# Altium PCB SupplyBox_v3.PcbDoc (part 1 of 2) (continued)
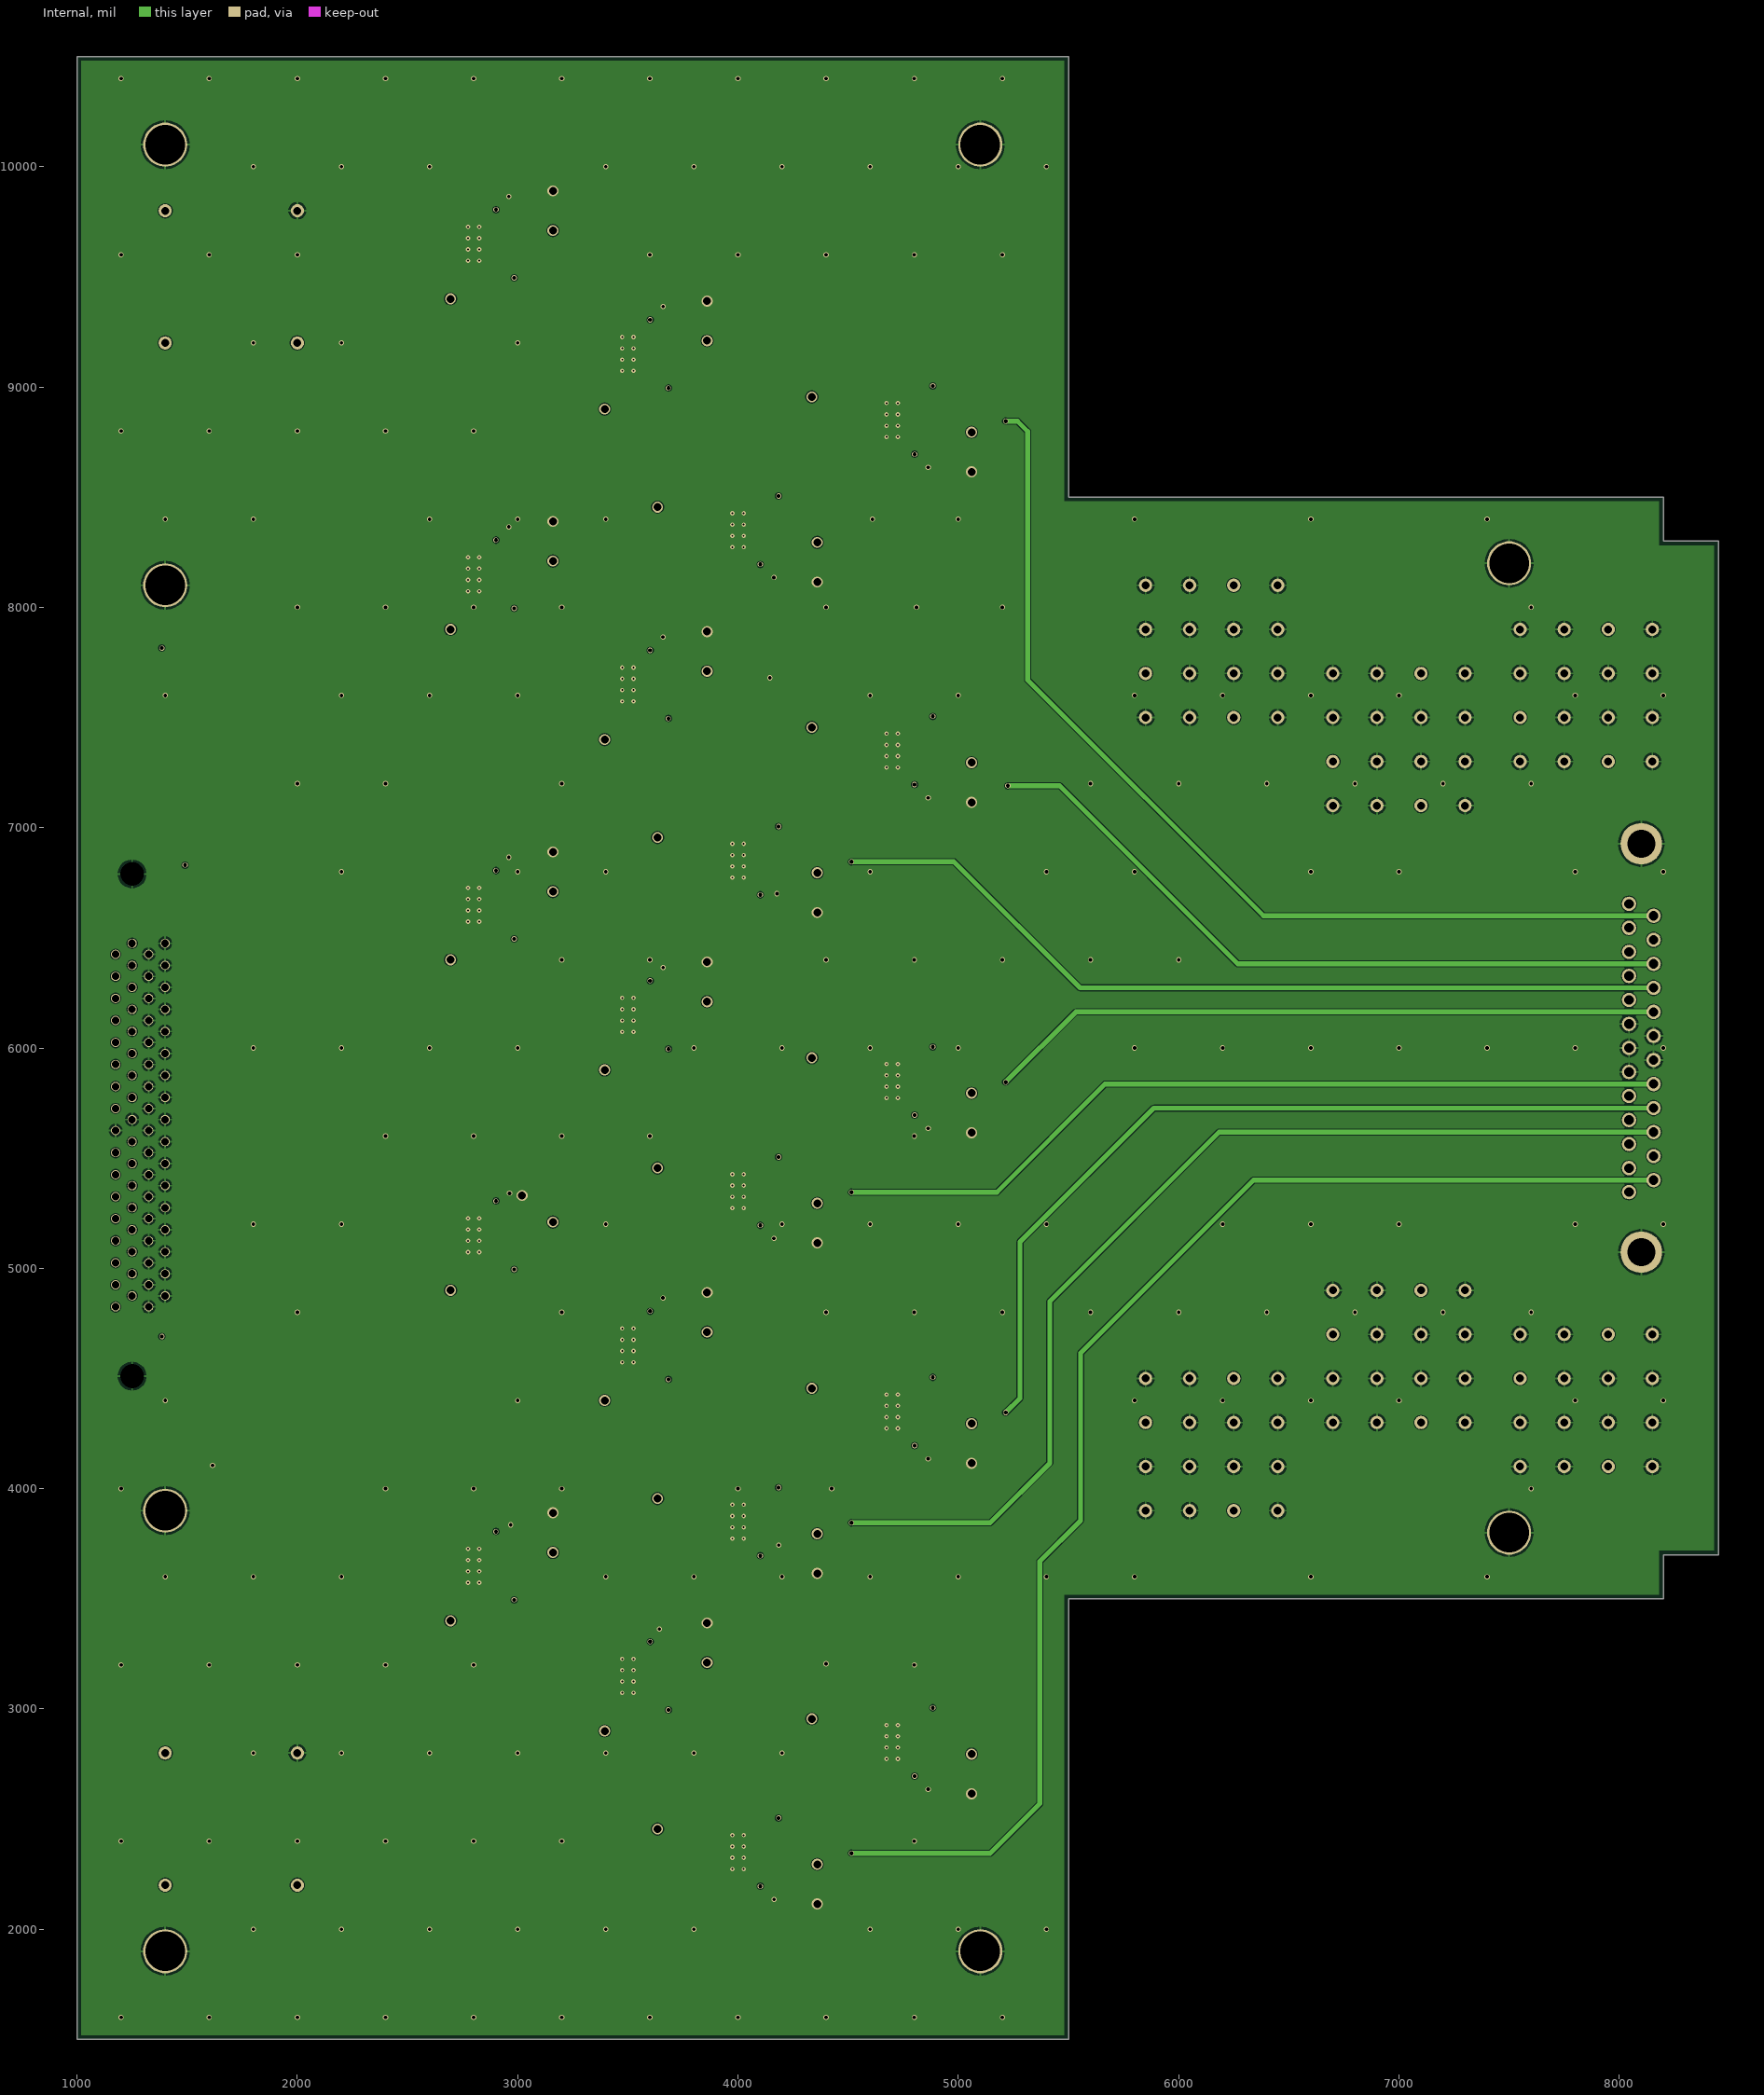
[diagram p4: Internal]
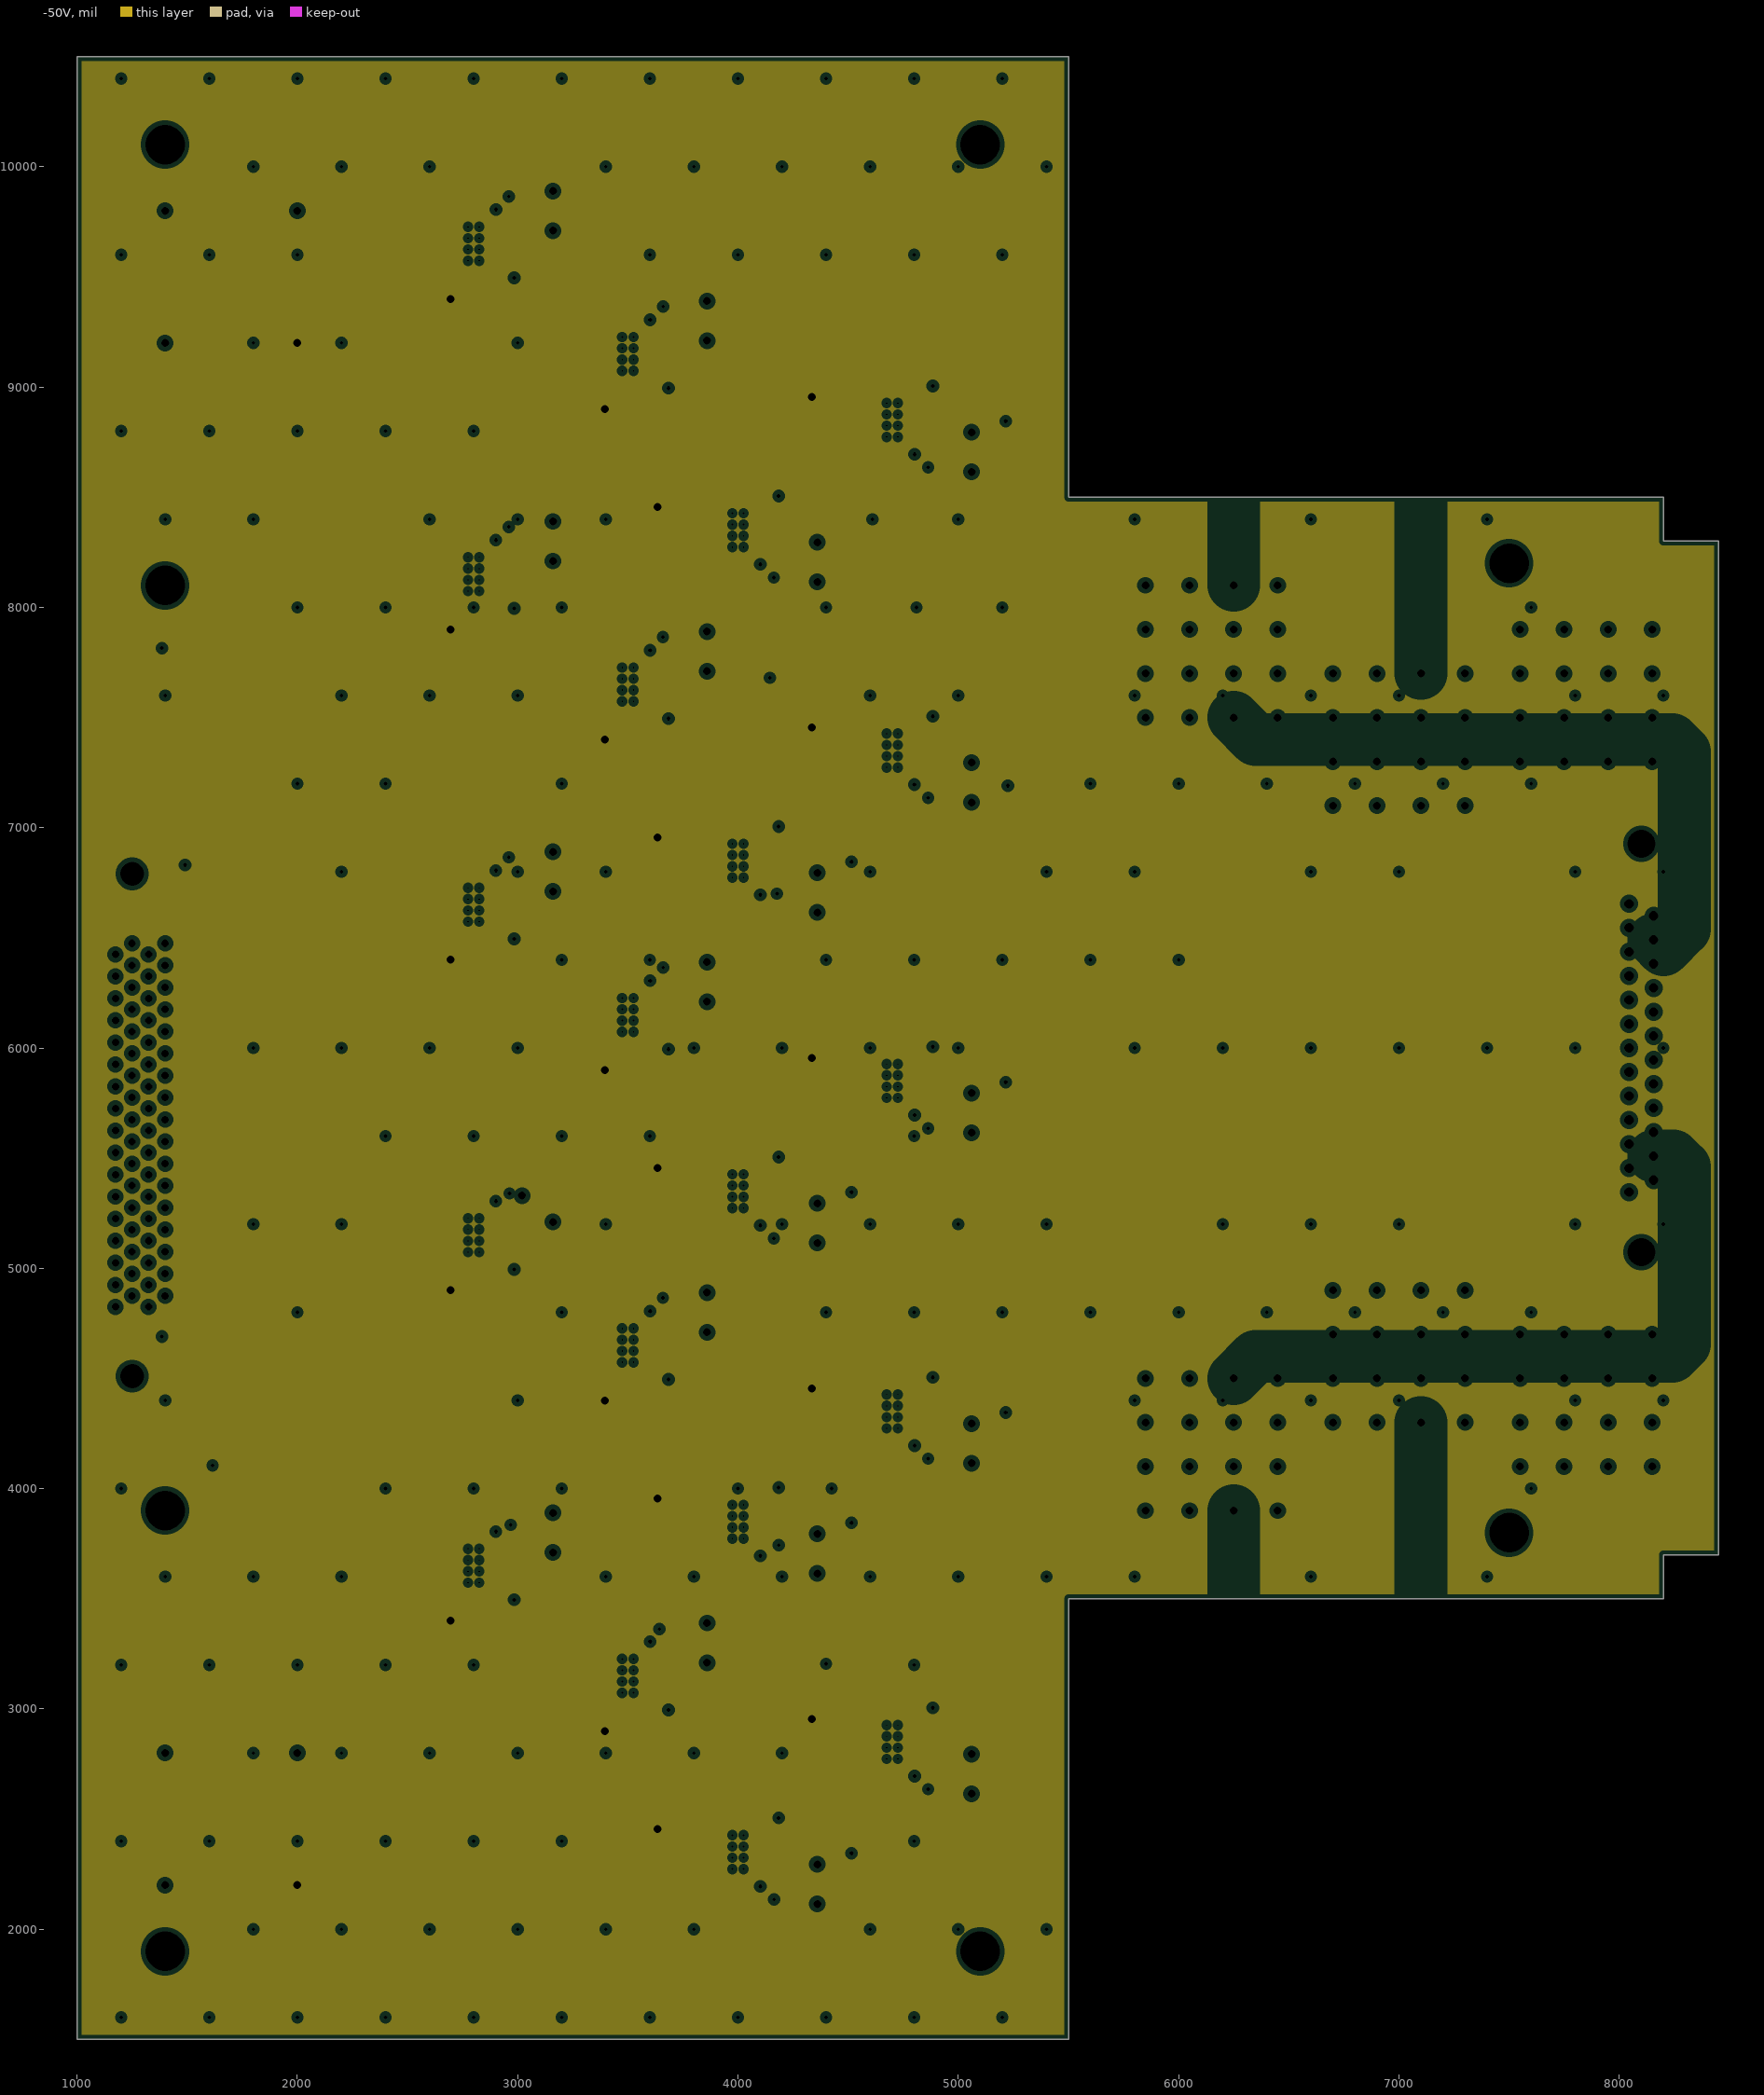
[diagram p5: -50V, clearances drawn from the general rule]
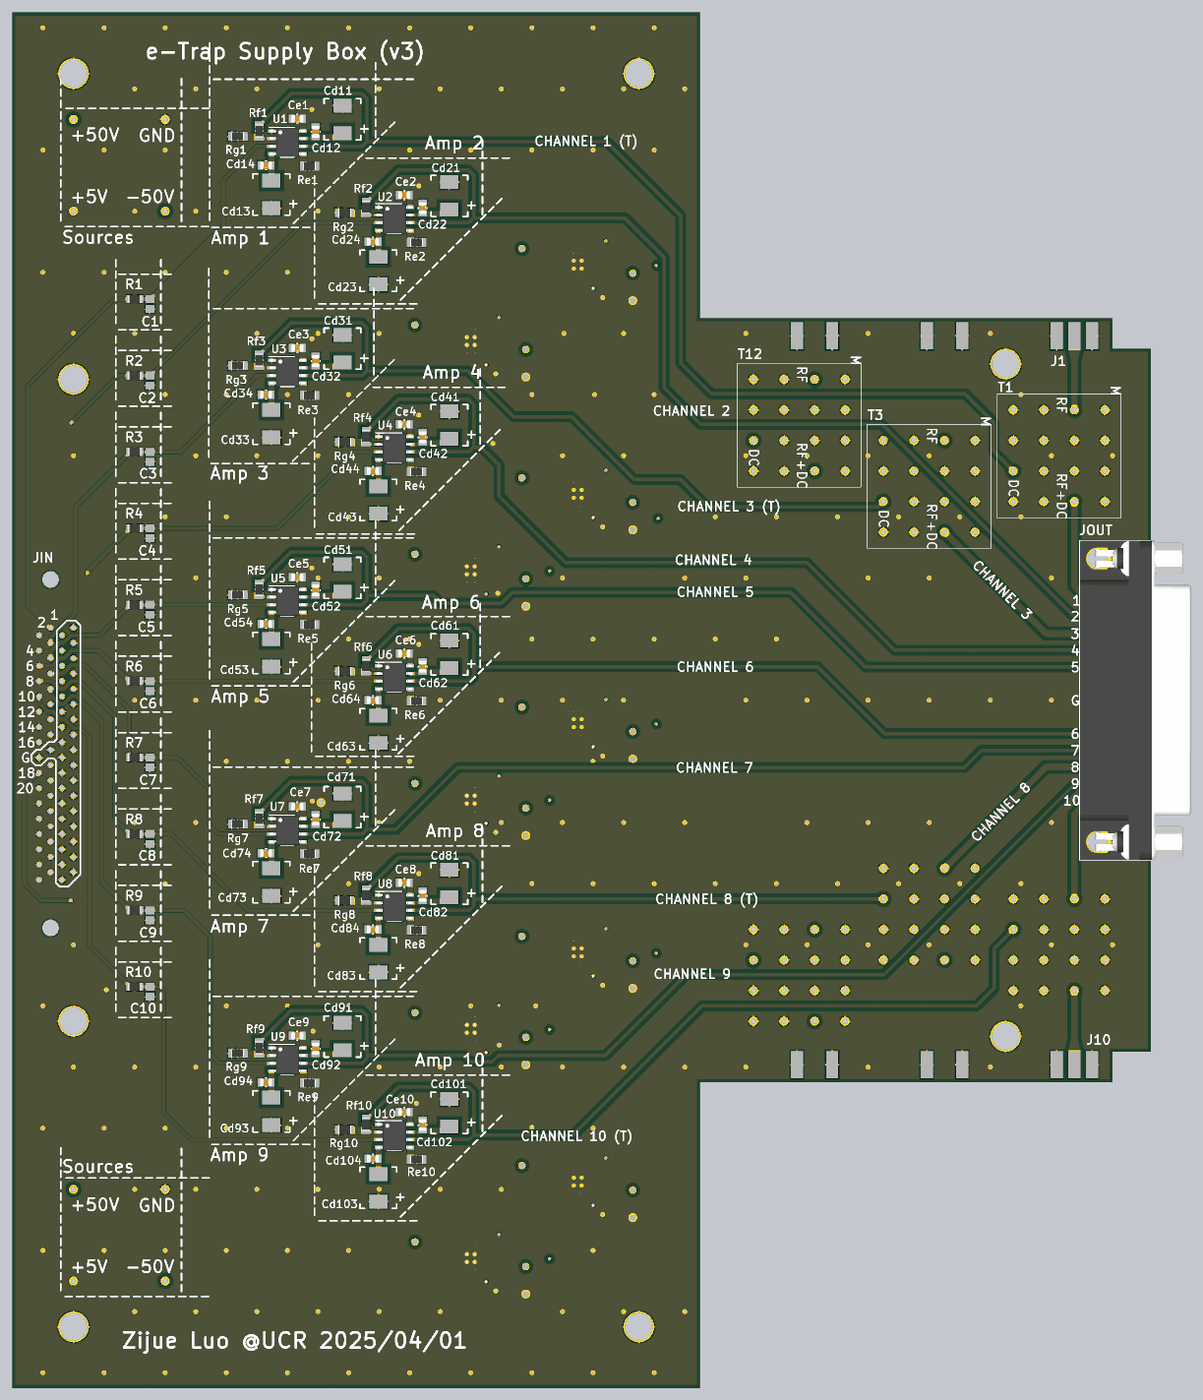
[diagram p7: 3D render of the assembled board from above, using the file's embedded part models]
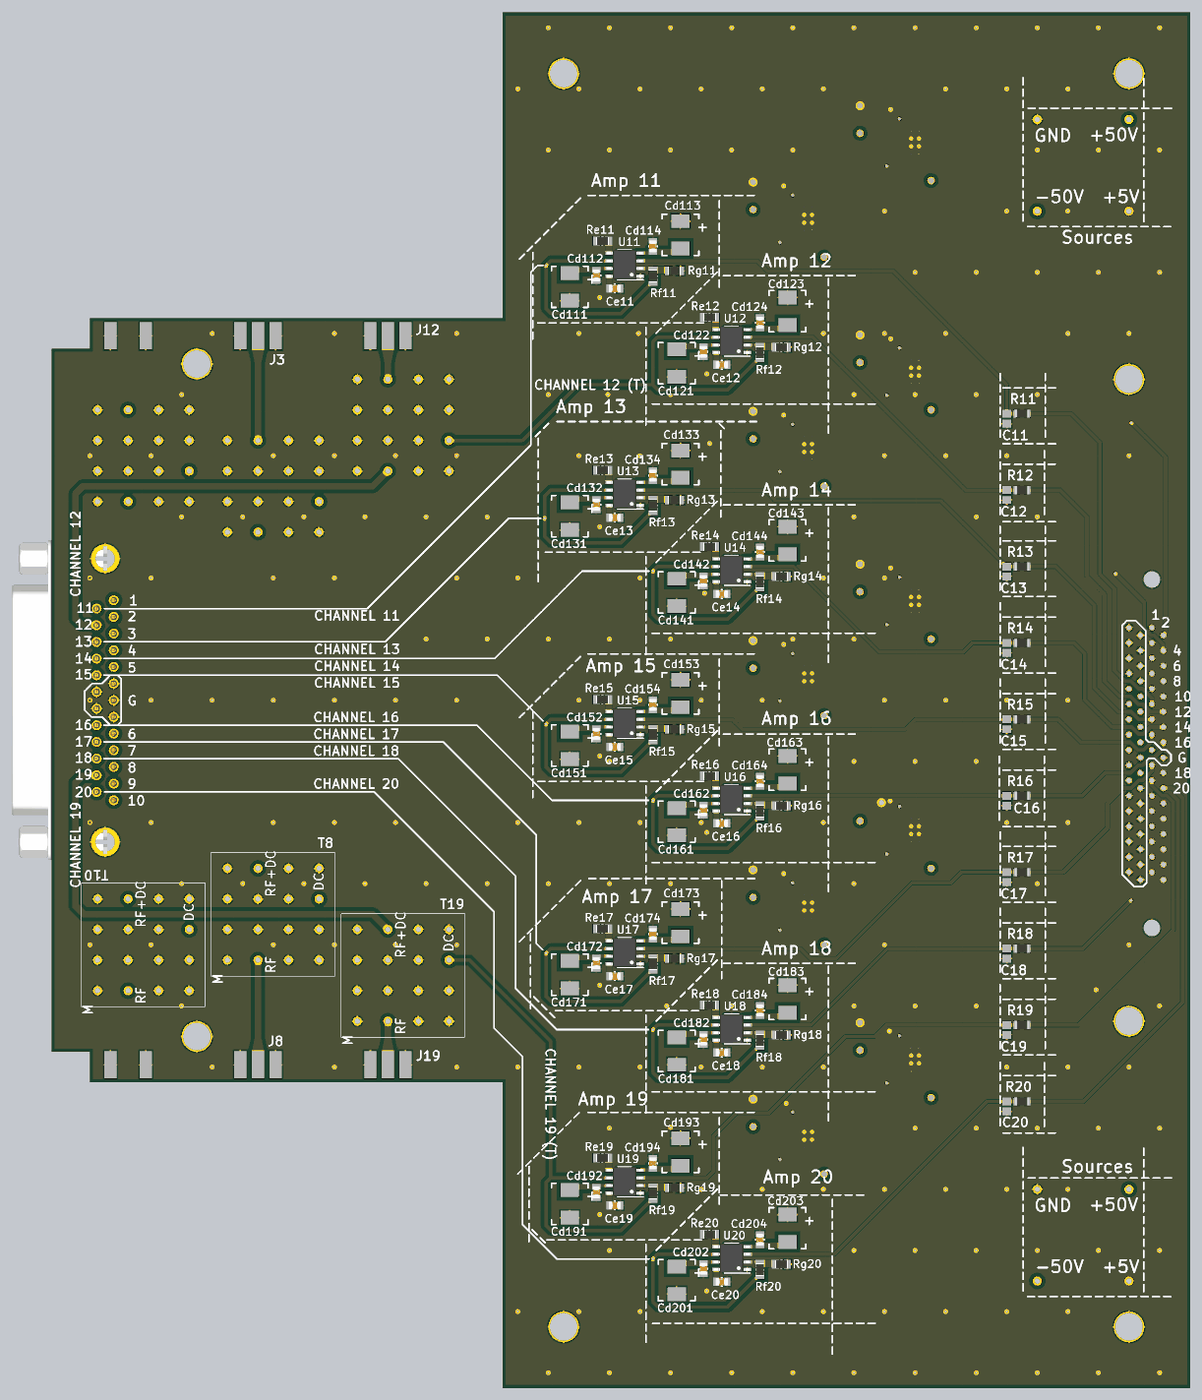
[diagram p8: 3D render of the assembled board from below, using the file's embedded part models]

## Layer stack, top to bottom
Top Solder: solder mask 1.2, Solder Resist, Dk 3.8
Top Layer: signal copper 1.38
Dielectric 2: prepreg 3.91, 3313*1, Dk 4.1
+50V: plane copper 0.6, net +50V
Dielectric 4: core 21.65, FR-4, Dk 4.6
+5V: signal copper 0.6
Dielectric 1: prepreg 4.28, 2116*1, Dk 4.16
Internal: signal copper 0.6
Dielectric 5: core 21.65, FR-4, Dk 4.6
-50V: plane copper 0.6, net -50V
Dielectric 3: prepreg 3.91, 3313*1, Dk 4.1
Bottom Layer: signal copper 1.38
Bottom Solder: solder mask 1.2, Solder Resist, Dk 3.8

## Board outline
8200,3500 8200,3700 8450,3700 8450,8300 8200,8300 8200,8500 5500,8500 5500,10500 1000,10500 1000,1500 5500,1500 5500,3500

## Design rules (kind name [scope] priority, off if disabled: settings)
Clearance RF [InNetClass('RF') vs OnLayer('Top Layer') Or OnLayer('Bottom Layer')] p1: gap=24 ignorepadtopadclearanceinfootprint=FALSE
Clearance HV_Internal [InNetClass('HV') vs OnLayer('+50V') or OnLayer('+5V') or OnLayer('Internal') or OnLayer('-50V')] p2: gap=4 ignorepadtopadclearanceinfootprint=FALSE
Clearance HV_External [InNetClass('HV') vs OnLayer('Top Layer') Or OnLayer('Bottom Layer')] p3: gap=24 ignorepadtopadclearanceinfootprint=FALSE
Clearance General [All] p4: gap=4 ignorepadtopadclearanceinfootprint=FALSE
HoleSize [All] p1: absolutevalues=TRUE maxlimit=200 minlimit=4 maxpercent=80.000 minpercent=20.000
MinimumSolderMaskSliver [All] p1 off: minsoldermaskwidth=4
PlaneClearance [All] p1: clearance=20
PlaneConnect [All] p1: planeconnectstyle=Direct reliefexpansion=20 reliefentries=4 reliefconductorwidth=10 reliefairgap=10
PolygonConnect [All] p1: thpad.connectstyle=Relief thpad.reliefconductorwidth=10 thpad.reliefentries=4 thpad.polygonreliefangle="90 Angle" thpad.airgapwidth=10 smdpad.connectstyle=Relief smdpad.reliefconductorwidth=10 smdpad.reliefentries=4 smdpad.polygonreliefangle="90 Angle" smdpad.airgapwidth=10 via.connectstyle=Direct via.reliefconductorwidth=10 via.reliefentries=4 via.polygonreliefangle="90 Angle" via.airgapwidth=10
RoutingVias [All] p1: holewidth=28 width=50 viastyle="Through Hole" minholewidth=28 minwidth=50 maxholewidth=28 maxwidth=50
SilkToSilkClearance [All] p1 off: silktosilkclearance=4
SilkToSolderMaskClearance [IsPad] p1 off: minsilkscreentomaskgap=4 clearancetoexposedcopper=TRUE
SolderMaskExpansion [All] p1: expansion=4 istentingtop=FALSE
SupplyNets "Schematic Supply Nets_69" [InNet('CH18F')] p1: voltage=0.000
SupplyNets "Schematic Supply Nets_68" [InNet('CH20IN')] p2: voltage=0.000
SupplyNets "Schematic Supply Nets_67" [InNet('CH13A')] p3: voltage=0.000
SupplyNets "Schematic Supply Nets_66" [InNet('CH18A')] p4: voltage=0.000
SupplyNets "Schematic Supply Nets_65" [InNet('CH4F')] p5: voltage=0.000
SupplyNets "Schematic Supply Nets_64" [InNet('CH10F')] p6: voltage=0.000
SupplyNets "Schematic Supply Nets_63" [InNet('CH4A')] p7: voltage=0.000
SupplyNets "Schematic Supply Nets_62" [InNet('CH1OUT')] p8: voltage=0.000
SupplyNets "Schematic Supply Nets_61" [InNet('CH8IN')] p9: voltage=0.000
SupplyNets "Schematic Supply Nets_60" [InNet('+5V')] p10: voltage=0.000
SupplyNets "Schematic Supply Nets_59" [InNet('CH20F')] p11: voltage=0.000
SupplyNets "Schematic Supply Nets_58" [InNet('CH14IN')] p12: voltage=0.000
SupplyNets "Schematic Supply Nets_57" [InNet('+50V')] p13: voltage=0.000
SupplyNets "Schematic Supply Nets_56" [InNet('CH5A')] p14: voltage=0.000
SupplyNets "Schematic Supply Nets_55" [InNet('CH8A')] p15: voltage=0.000
SupplyNets "Schematic Supply Nets_54" [InNet('GND')] p16: voltage=0.000
SupplyNets "Schematic Supply Nets_53" [InNet('CH10A')] p17: voltage=0.000
SupplyNets "Schematic Supply Nets_52" [InNet('CH6A')] p18: voltage=0.000
SupplyNets "Schematic Supply Nets_51" [InNet('CH6F')] p19: voltage=0.000
SupplyNets "Schematic Supply Nets_50" [InNet('CH1F')] p20: voltage=0.000
SupplyNets "Schematic Supply Nets_49" [InNet('CH3F')] p21: voltage=0.000
SupplyNets "Schematic Supply Nets_48" [InNet('CH15F')] p22: voltage=0.000
SupplyNets "Schematic Supply Nets_47" [InNet('CH17F')] p23: voltage=0.000
SupplyNets "Schematic Supply Nets_46" [InNet('CH14A')] p24: voltage=0.000
SupplyNets "Schematic Supply Nets_45" [InNet('CH12A')] p25: voltage=0.000
SupplyNets "Schematic Supply Nets_44" [InNet('CH16F')] p26: voltage=0.000
SupplyNets "Schematic Supply Nets_43" [InNet('CH1IN')] p27: voltage=0.000
SupplyNets "Schematic Supply Nets_42" [InNet('CH19A')] p28: voltage=0.000
SupplyNets "Schematic Supply Nets_41" [InNet('CH11F')] p29: voltage=0.000
SupplyNets "Schematic Supply Nets_40" [InNet('CH12F')] p30: voltage=0.000
SupplyNets "Schematic Supply Nets_39" [InNet('CH9IN')] p31: voltage=0.000
SupplyNets "Schematic Supply Nets_38" [InNet('CH3OUT')] p32: voltage=0.000
SupplyNets "Schematic Supply Nets_37" [InNet('CH15A')] p33: voltage=0.000
SupplyNets "Schematic Supply Nets_36" [InNet('CH19IN')] p34: voltage=0.000
SupplyNets "Schematic Supply Nets_35" [InNet('CH17A')] p35: voltage=0.000
SupplyNets "Schematic Supply Nets_34" [InNet('CH20A')] p36: voltage=0.000
SupplyNets "Schematic Supply Nets_33" [InNet('-50V')] p37: voltage=0.000
SupplyNets "Schematic Supply Nets_32" [InNet('CH13F')] p38: voltage=0.000
SupplyNets "Schematic Supply Nets_31" [InNet('CH14F')] p39: voltage=0.000
SupplyNets "Schematic Supply Nets_30" [InNet('CH8F')] p40: voltage=0.000
SupplyNets "Schematic Supply Nets_29" [InNet('CH11A')] p41: voltage=0.000
SupplyNets "Schematic Supply Nets_28" [InNet('CH5F')] p42: voltage=0.000
SupplyNets "Schematic Supply Nets_27" [InNet('CH2IN')] p43: voltage=0.000
SupplyNets "Schematic Supply Nets_26" [InNet('CH13IN')] p44: voltage=0.000
SupplyNets "Schematic Supply Nets_25" [InNet('CH3IN')] p45: voltage=0.000
SupplyNets "Schematic Supply Nets_24" [InNet('CH6IN')] p46: voltage=0.000
SupplyNets "Schematic Supply Nets_23" [InNet('CH15IN')] p47: voltage=0.000
SupplyNets "Schematic Supply Nets_22" [InNet('CH17IN')] p48: voltage=0.000
SupplyNets "Schematic Supply Nets_21" [InNet('CH16IN')] p49: voltage=0.000
SupplyNets "Schematic Supply Nets_20" [InNet('CH19OUT')] p50: voltage=0.000
SupplyNets "Schematic Supply Nets_19" [InNet('CH5IN')] p51: voltage=0.000
SupplyNets "Schematic Supply Nets_18" [InNet('CH9F')] p52: voltage=0.000
SupplyNets "Schematic Supply Nets_17" [InNet('CH4IN')] p53: voltage=0.000
SupplyNets "Schematic Supply Nets_16" [InNet('CH10OUT')] p54: voltage=0.000
SupplyNets "Schematic Supply Nets_15" [InNet('CH12IN')] p55: voltage=0.000
SupplyNets "Schematic Supply Nets_14" [InNet('CH11IN')] p56: voltage=0.000
SupplyNets "Schematic Supply Nets_13" [InNet('CH1A')] p57: voltage=0.000
SupplyNets "Schematic Supply Nets_12" [InNet('CH2F')] p58: voltage=0.000
SupplyNets "Schematic Supply Nets_11" [InNet('CH8OUT')] p59: voltage=0.000
SupplyNets "Schematic Supply Nets_10" [InNet('CH10IN')] p60: voltage=0.000
SupplyNets "Schematic Supply Nets_9" [InNet('CH7F')] p61: voltage=0.000
SupplyNets "Schematic Supply Nets_8" [InNet('CH3A')] p62: voltage=0.000
SupplyNets "Schematic Supply Nets_7" [InNet('CH2A')] p63: voltage=0.000
SupplyNets "Schematic Supply Nets_6" [InNet('CH16A')] p64: voltage=0.000
SupplyNets "Schematic Supply Nets_5" [InNet('CH9A')] p65: voltage=0.000
SupplyNets "Schematic Supply Nets_4" [InNet('CH19F')] p66: voltage=0.000
SupplyNets "Schematic Supply Nets_3" [InNet('CH7A')] p67: voltage=0.000
SupplyNets "Schematic Supply Nets_2" [InNet('CH18IN')] p68: voltage=0.000
SupplyNets "Schematic Supply Nets_1" [InNet('CH7IN')] p69: voltage=0.000
SupplyNets "Schematic Supply Nets" [InNet('CH12OUT')] p70: voltage=0.000
ViasUnderSMD [All] p1: allowed=TRUE
Width [All] p1: maxlimit=120 minlimit=8 preferedwidth=24
24 further rules are at their usual default settings.

## Classes and differential pairs
net class RF: CH1OUT CH3OUT CH8OUT CH10OUT CH12OUT CH19OUT NetJ1_1 NetJ3_1 NetJ8_1 NetJ10_1 NetJ12_1 NetJ19_1
net class LV: +5V CH1F CH1IN CH2F CH2IN CH3F CH3IN CH4F CH4IN CH5F CH5IN CH6F CH6IN CH7F CH7IN CH8F CH8IN CH9F CH9IN CH10F CH10IN CH11F CH11IN CH12F CH12IN CH13F CH13IN CH14F CH14IN CH15F CH15IN CH16F CH16IN CH17F CH17IN CH18F CH18IN CH19F CH19IN CH20F CH20IN NetRe1_1 NetRe2_1 NetRe3_1 NetRe4_1 NetRe5_1 NetRe6_1 NetRe7_1 NetRe8_1 NetRe9_1 NetRe10_1 NetRe11_1 NetRe12_1 NetRe13_1 NetRe14_1 NetRe15_1 NetRe16_1 NetRe17_1 NetRe18_1 NetRe19_1 NetRe20_1 NetRf1_1 NetRf2_1 NetRf3_1 NetRf4_1 NetRf5_1 NetRf6_1 NetRf7_1 NetRf8_1 NetRf9_1 NetRf10_1 NetRf11_1 NetRf12_1 NetRf13_1 NetRf14_1 NetRf15_1 NetRf16_1 NetRf17_1 NetRf18_1 NetRf19_1 NetRf20_1
net class HV: +50V -50V CH1A CH2A CH3A CH4A CH5A CH6A CH7A CH8A CH9A CH10A CH11A CH12A CH13A CH14A CH15A CH16A CH17A CH18A CH19A CH20A
